# Altium PCB STeaMi-VerB1.PcbDoc (part 2 of 5) (continued)
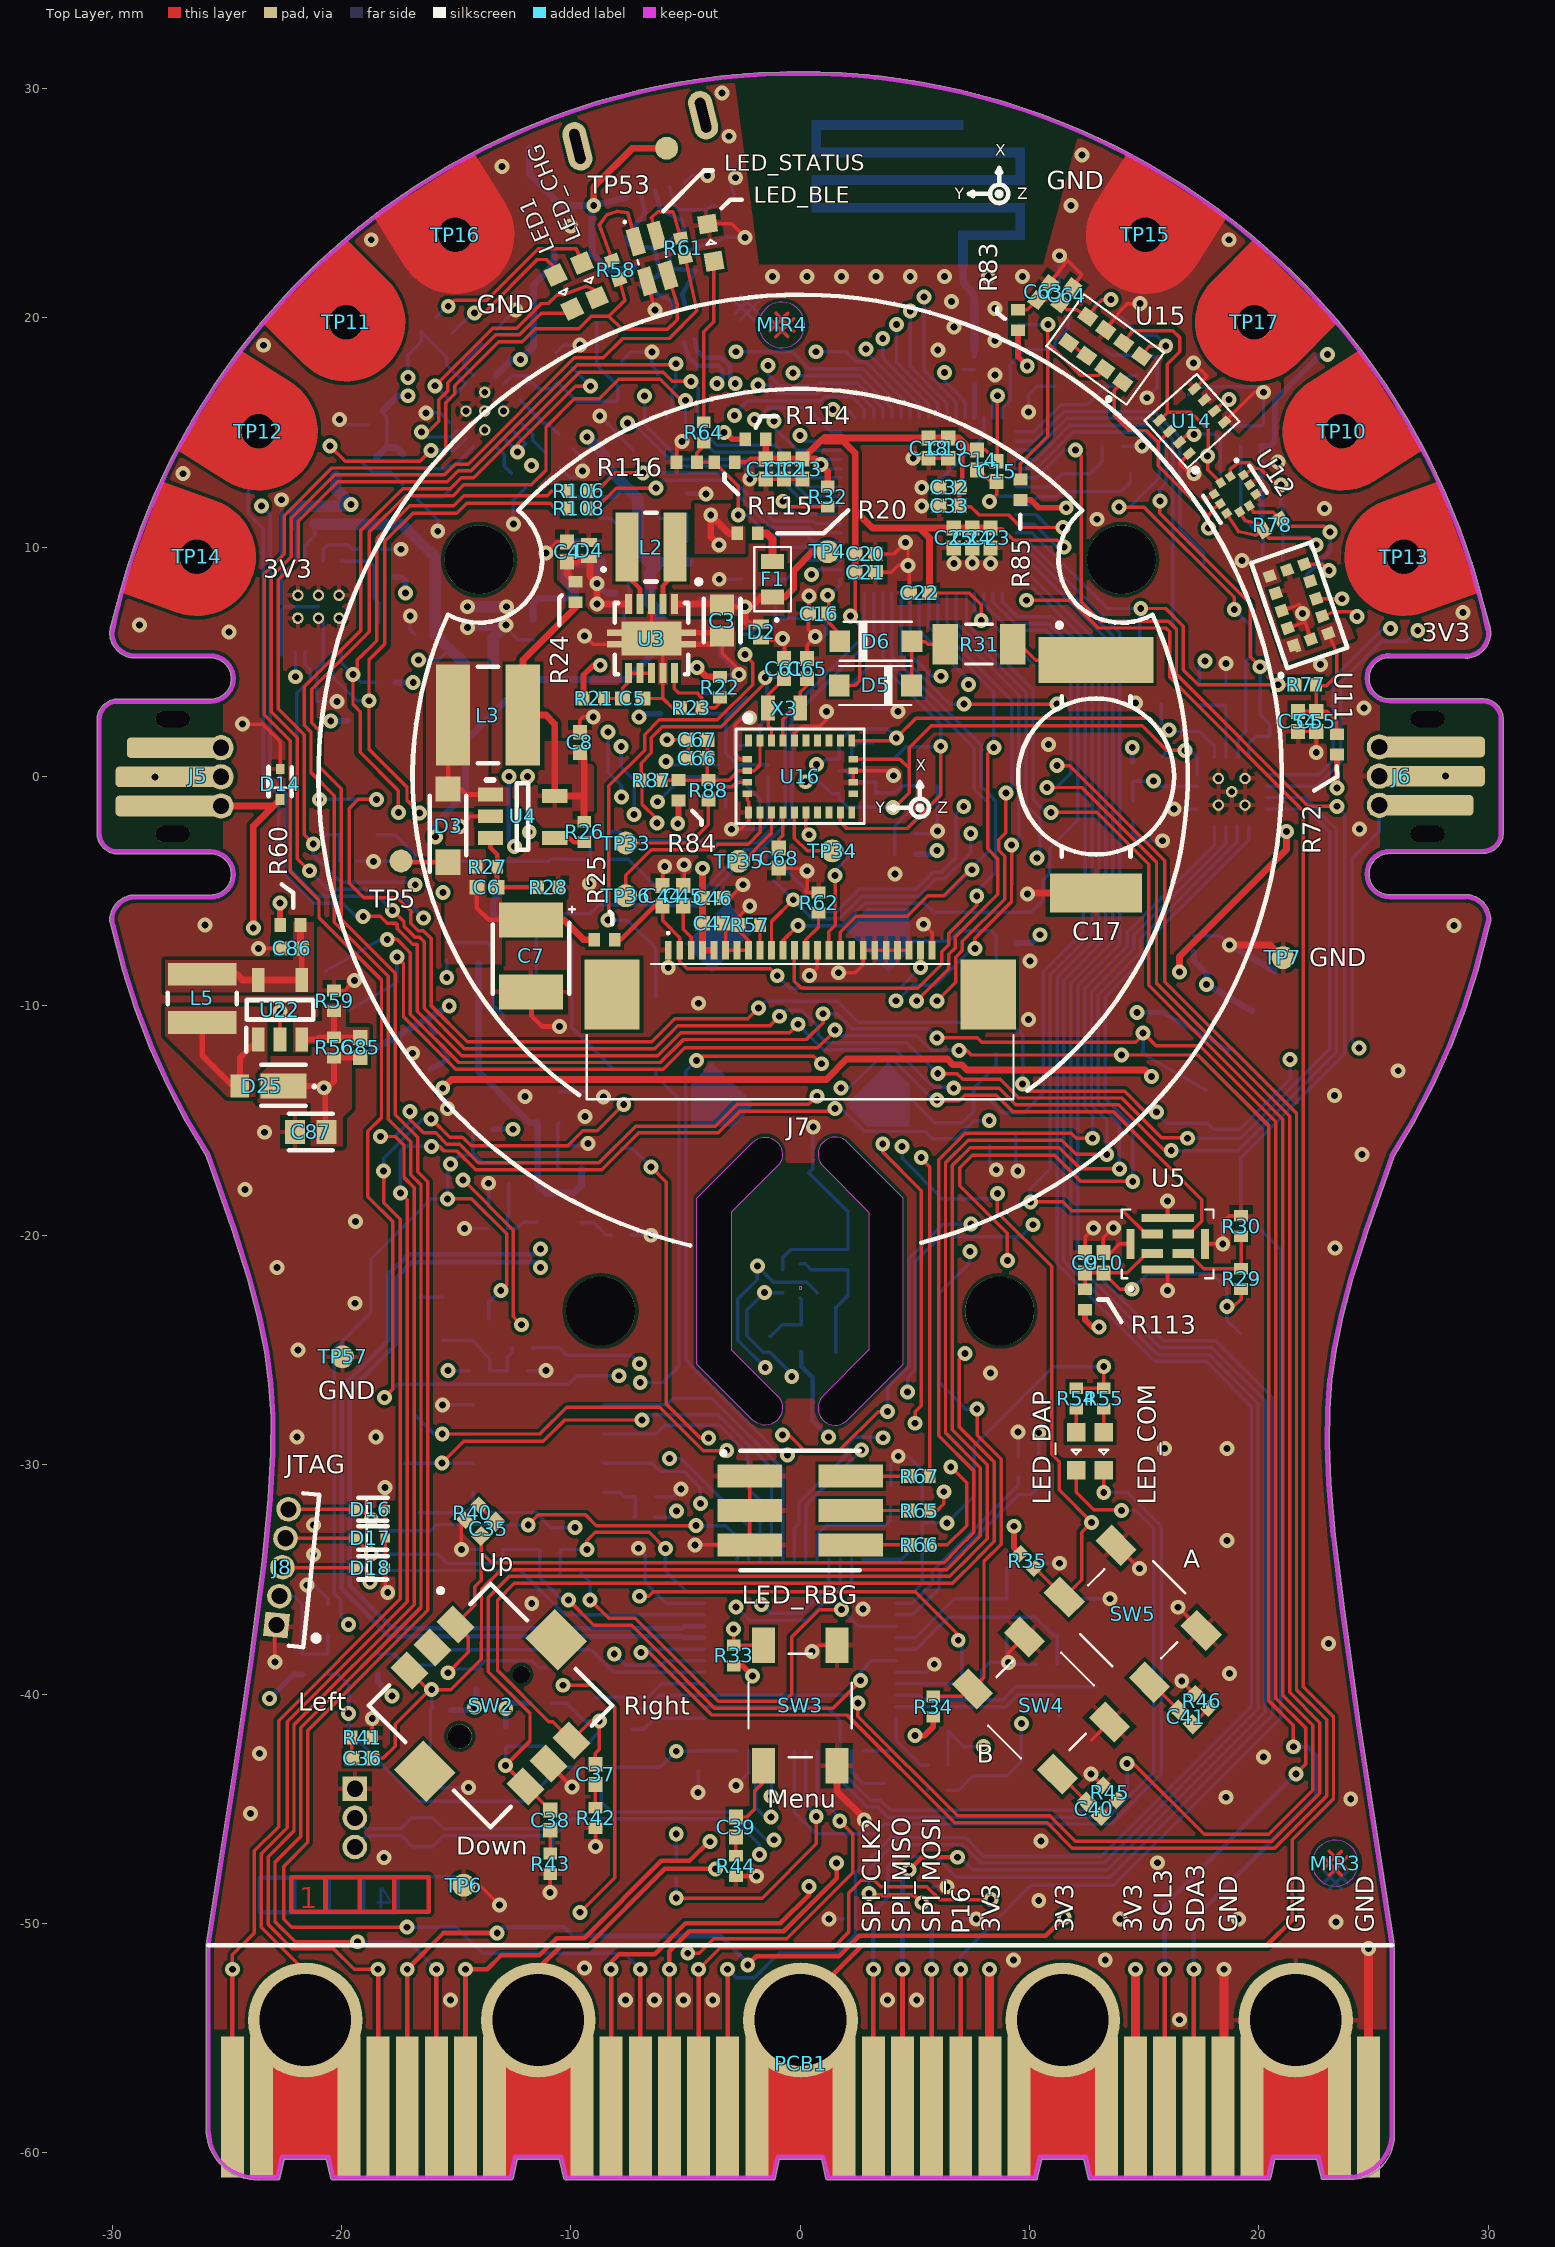
[diagram p0: Top Layer view]
## Part data (continued)
D1: library part WE-TVS_824015, "Suppresseurs ESD / diodes TVS WE-TVS High Speed 5uA 5VDC 4+1", Manufacturer=Wurth, Voltage=5V, ComponentLink1Description=Datasheet, ComponentLink1URL=https://www.we-online.com/catalog/datasheet/824015.pdf, Created by=EAG, Creation Date=27/08/2021, Manufacturer Part Number=WE-TVS_824015, Mouser=710-824015, Part Number=WE-TVS_824015, Populated=True, Switch possibility=False, Vérification=Non
D2 D4 D10 D13 D24: library part D5V0H1B2LP-7B, "ESD Suppressors / TVS Diodes Transient Voltage Suppressor PP", Manufacturer="Diodes Incorporated", Voltage=5,5V, ComponentLink1Description=Datasheet, ComponentLink1URL=https://m.littelfuse.com/~/media/electronics/product_specifications/polymer_esd_suppressors/littelfuse_polymer_esd_suppressor_pesd0402_140_product_specification.pdf.pdf, Created by=EAG, Creation Date=01/10/2021, Digikey=D5V0H1B2LP-7BDICT-ND, Manufacturer Part Number=D5V0H1B2LP-7B, Mouser=621-D5V0H1B2LP-7B, Part Number=D5V0H1B2LP-7B, Populated=True, Switch possibility=False, Vérification=Non
D3: library part XBS104S14R-G, "Diode Schottky 40 V 1A Montage en surface SOD-123", Manufacturer="Torex Semiconductor", Voltage=40V, Created by=EAG, Creation Date=18/12/2021, Manufacturer Part Number=XBS104S14R-G, Mouser=865-XBS104S14R-G, Part Number=XBS104S14R-G, Populated=True, Switch possibility=False, Vérification=Non
D5 D6 D7 D15: library part MBR130HWTR, "Diode Schottky 30 V 1A Montage en surface SOD-123", Manufacturer="SMC diode solutions", Voltage=30V, Created by=EAG, Creation Date=18/12/2021, Digikey=1655-1437-1-ND, Manufacturer Part Number=MBR130HWTR, Part Number=MBR130HWTR, Populated=True, Switch possibility=False, Vérification=Non
D8 D9 D11 D12 D16 D17 D18 D19 D20 D21 D22 D23: library part ESD8351XV2T1G, "Suppresseurs ESD / diodes TVS LOW CAP SNAPBACK ESD PROT", Manufacturer=OnSemiconductor, Voltage=3V3, Created by=EAG, Creation Date=18/12/2021, Farnell=2770609, Manufacturer Part Number=ESD8351XV2T1G, Mouser=863-ESD8351XV2T1G, Part Number=ESD8351XV2T1G, Populated=True, Switch possibility=False, Vérification=Non
D14: library part ESD8351XV2T1G, "Suppresseurs ESD / diodes TVS LOW CAP SNAPBACK ESD PROT", Manufacturer=OnSemiconductor, Voltage=5V, Created by=EAG, Creation Date=18/12/2021, Farnell=2770609, Manufacturer Part Number=ESD8351XV2T1G, Mouser=863-ESD8351XV2T1G, Part Number=ESD8351XV2T1G, Populated=True, Switch possibility=False, Vérification=Non
D25: library part SS14HE, "Diode Schottky 40 V 1A Montage en surface SDO-323HE", Manufacturer=OnSemiconductor, Voltage=40V, Created by=EAG, Creation Date=01/02/2022, Digikey=512-SS14HE, Farnell=2929794, Manufacturer Part Number=SS14HE, Part Number=SS14HE, Populated=True, Switch possibility=False, Vérification=Non
D26 D27: library part CDBQR0140R-HF, "Diode 40 V 100mA Surface Mount 0402C/SOD-923F", Manufacturer=Comchip, Voltage=40V, Created by=EAG, Creation Date=16/02/2024, Digikey=CDBQR0140R-HF-ND, Manufacturer Part Number=CDBQR0140R-HF, Part Number=CDBQR0140R-HF, Populated=True, Switch possibility=False, Vérification=Non
F1: library part SF-0603SP125-2, "Fusible 50V 1,25 A Slow blow", ComponentLink1Description=Datasheet, ComponentLink1URL=https://us.schurter.com/en/datasheet/typ_UMT_250.pdf, Manufacturer="#Circular Reference?", Manufacturer Part Number="#Circular Reference?", Part Number=SF-0603SP125-2, Populated=True
FB1: library part 742792641, "Chip Ferrite Bead 300 ohm à 100MHZ", Manufacturer=WURTH, Created by=EAG, Creation Date=27/08/2021, Manufacturer Part Number=742792641, Mouser=710-742792641, Part Number=742792641, Populated=True, Switch possibility=False, Vérification=Non
FB2: library part BLM18RK102SN1D, "Chip Ferrite Bead 330 ohm à 100MHZ", Manufacturer=MURATA, Created by=EAG, Creation Date=28/07/2020, Manufacturer Part Number=BLM18RK102SN1D, Mouser=81-BLM18RK102SN1D, Part Number=BLM18RK102SN1D, Populated=True, Switch possibility=False, Vérification=Non
J1: library part 1011483010102LF, "CONN header smd 2 positions 1,25 mm", Manufacturer=Amphenol, Manufacturer Part Number=10114830-10102LF, Created by=EAG, Creation Date=26/08/2021, Mouser=609-5378-1-ND, Part Number=1011483010102LF, Populated=False, Switch possibility=False, Vérification=Non
J2: library part USB3080-30-00-A, "Connector micro USB Bottom-SMT No Peg", Manufacturer=GCT, Created by=EAG, Creation Date=27/08/2021, Manufacturer Part Number=USB3080-30-00-A, Mouser=640-USB3080-30-00-A, Part Number=USB3080-30-00-A, Populated=False, Switch possibility=False, Vérification=Non
J3 J4: library part S4B-PH-SM4-TB(LF)(SN), "Connecteur, embase Montage en surface à angle droit 4 positions (2,00mm)", Manufacturer=JST, Created by=EAG, Creation Date=20/09/2021, Digikey=455-1751-1-ND, Farnell=9492631, Manufacturer Part Number=S4B-PH-SM4-TB(LF)(SN), Part Number=S4B-PH-SM4-TB(LF)(SN), Populated=True, Switch possibility=False, Vérification=Non
J5 J6: library part JACDAC_PCB, "PCB connector Jackdac", Manufacturer=Microsoft, Manufacturer Part Number=Jackdac_design, Created by=EAG, Creation Date=01/09/2021, Part Number=JACDAC_PCB, Populated=False, Switch possibility=False, Vérification=Non
J7: library part 52435-2471, "FFC/FPC connector 0,50 Pitch Slider Right angle TOP Contact", Manufacturer=Molex, Created by=EAG, Creation Date=18/08/2021, Manufacturer Part Number=52435-2471, Mouser=538-52435-2471, Part Number=52435-2471, Populated=False, RS=52435-2471-TR250, Switch possibility=False, Vérification=Non
J8: library part FTS-105-01-F-D, "Embase FTS 10 point 1,27 mm vertical", Manufacturer=SAMTEC, Created by=EAG, Creation Date=25/09/2019, Digikey=SAM9420-ND, Manufacturer Part Number=FTS-105-01-F-D, Mouser=200-FTS10501FD, Part Number=FTS-105-01-F-D, Populated=False, Switch possibility=False, Vérification=Non
J9: library part FTS-103-01-F-S, "CONN HEADER VERT 3POS 1.27MM", Manufacturer=SAMTEC, Created by=EAG, Creation Date=25/10/2021, Digikey=612-FTS-103-01-F-S-ND, Manufacturer Part Number=FTS-103-01-F-S, Part Number=FTS-103-01-F-S, Populated=False, Switch possibility=False, Vérification=Non
L1: library part 744230900, "Common mode chokes", Manufacturer=WURTH, Created by=EAG, Creation Date=10/10/2019, Digikey=732-2582-1-ND, Inductance="#Circular Reference?", Manufacturer Part Number=744230900, Part Number=744230900, Populated=True, Switch possibility=False, Vérification=Non
L2: library part "2,2µH-20%-1,89A-74 mOhms", "Fixed Inductor 10µH ± 20% 1,4A 3x3x1,2mm", DC Current=1,89A, Inductance=2,2µH, Manufacturer=TDK, Manufacturer Part Number=VLS3012CX-2R2M-1, Resistance="74 mOhms", Tolerence=0,2, Created by=EAG, Creation Date=17/12/2021, Mouser=810-VLS3012CX-2R2M-1, Part Number="2,2µH-20%-1,89A-74 mOhms", Populated=True, Switch possibility=False, Vérification=Non
L3: library part "15µH-20%-0,84-132 mOhms%", "Fixed Inductor 10µH ± 20% 1,4A 5,8mm", DC Current=0,84, Inductance=15µH, Manufacturer=Wurth, Manufacturer Part Number=74404043150A, Resistance="132 mOhms%", Tolerence=0,2, Created by=EAG, Creation Date=22/11/2021, Digikey=732-10760-1-ND, Mouser=710-74404043150A, Part Number="15µH-20%-0,84-132 mOhms%", Populated=True, Switch possibility=False, Vérification=Non
L4: library part 10µH-20%-0,1A-600mOhm, "Fixed Inductor 10µH µH ± 20% 0,1A 0805", DC Current=0,1A, Inductance=10µH, Manufacturer="Murata Electronics", Manufacturer Part Number=LQM21FN100M70L, Resistance=600mOhm, Tolerence=0,2, Created by=EAG, Creation Date=10/10/2019, Mouser=81-LQM21FN100M70L, Part Number=10µH-20%-0,1A-600mOhm, Populated=True, Switch possibility=False, Vérification=Non
L5: library part 10µH-20%-1,12A-324mOhms, "Fixed Inductor 10µH ± 20% 1,12A 3x3x1,2mm", DC Current=1,12A, Inductance=10µH, Manufacturer=TDK, Manufacturer Part Number=VLS3012CX-100M-1, Resistance=324mOhms, Tolerence=0,2, Created by=EAG, Creation Date=25/01/2022, Farnell=3212546, Mouser=810-VLS3012CX-100M-1, Part Number=10µH-20%-1,12A-324mOhms, Populated=True, Switch possibility=False, Vérification=Non
LED1 LED_COM: library part 150060VS75000, "LED GREEN 2V 20mA 0603 SMD", Color="GREEN RED", Manufacturer=WURTH, Created by=EAG, Creation Date=12/03/2020, F19=0,13, Manufacturer Part Number=150060VS75000, Mouser=710-150060VS75000, Part Number=150060VS75000, Populated=True, Switch possibility=False, Vérification=Non
  LED1: Fitted="Not Fitted"
LED_BLE LED_DAP: library part 150060BS75000, "DEL standard - CMS WL-SMCW SMDMono TpVw Waterclr 0603 Blue", Color=BLUE, Manufacturer=WURTH, Created by=EAG, Creation Date=16/09/2021, Manufacturer Part Number=150060BS75000, Mouser=710-150060BS75000, Part Number=150060BS75000, Populated=True, Switch possibility=False, Vérification=Non
LED_CHG: library part 150060RS75000, "DEL standard - CMS WL-SMCW SMDMono TpVw Waterclr 0603 RED", Color=RED, Manufacturer=WURTH, Created by=EAG, Creation Date=30/09/2021, Manufacturer Part Number=150060RS75000, Mouser=710-150060RS75000, Part Number=150060RS75000, Populated=True, Switch possibility=False, Vérification=Non
LED_RBG: library part 150505M173300, "DEL standard - CMS WL-SFTW SMD TOP SMD 5050 RGB", Color=RGB, Manufacturer=WURTH, Created by=EAG, Creation Date=16/09/2021, Digikey=150505M173300, Manufacturer Part Number=150505M173300, Mouser=710-150505M173300, Part Number=150505M173300, Populated=True, Switch possibility=False, Vérification=Non
LED_STATUS: library part APHBM2012LSURKZGKC, "LED BI Green Red 2mm x 1,25mm SMD", Color="GREEN RED", Manufacturer=Kingbright, Created by=EAG, Creation Date=30/09/2019, Manufacturer Part Number=APHBM2012LSURKZGKC, Mouser=604-APHBM2012LSURKZG, Part Number=APHBM2012LSURKZGKC, Populated=True, Switch possibility=False, Vérification=Non
LS1: library part SMT-0825-S-HT-R, "Speakers & Transducers SURFACE MOUNT TRANSDUCER 3.6 VP-P", Ambient Temperature="Ambient temp", Manufacturer="PUI Audio Inc", Storage temperature="Storage temp", AEC=AEC, Created by=EAG, Creation Date=15/09/2021, Datasheet=Datasheet, Digikey=668-SMT-0825-S-HT-RCT-ND, Manufacturer Part Number=SMT-0825-S-HT-R, Mouser=665-SMT0825SHTR, Part Number=SMT-0825-S-HT-R, Populated=False, RoHs compliant=Rohs, Switch possibility=False, Vérification=Non
PCB1: library part PCBMICROBIT, "Design PCB connector P0-P16, 3V3,GND", Ambient Temperature="Ambient temp", Manufacturer=MicroBit, Manufacturer Part Number=PCB-Connector, Storage temperature="Storage temp", AEC=AEC, Created by=EAG, Creation Date=20/09/2021, Datasheet=Datasheet, Part Number=PCBMICROBIT, Populated=False, RoHs compliant=Rohs, Switch possibility=False, Vérification=Non
R1 R53: library part 470R-5%-0,1W-0402, "RES CMS 470R5%-0,1W-0402 ±200ppm/°C", Manufacturer=Panasonic, Manufacturer Part Number=ERJ-2GEJ471X, Power=0,1, Resistance=470R, std Package=0402, Tolerence=0,05, Created by=EAG, Creation Date=02/12/2021, Mouser=667-ERJ-2GEJ471X, Nom vérificateur=Non, Part Number=470R-5%-0,1W-0402, Populated=True, Prix=0,09, Switch possibility=True
R2 R5 R8 R17 R69 R99 R105 R110: library part 100K-5%-0,0625W-0402, "RES CMS 100K5%-0,0625W-0402 ±100ppm/°C", Manufacturer=Yageo, Manufacturer Part Number=RC0402JR-07100KL, Power=0,0625, Resistance=100K, std Package=0402, Tolerence=0,05, Created by=EAG, Creation Date=02/12/2021, Digikey=311-100KJRCT-ND, Farnell=9233008, Nom vérificateur=Non, Part Number=100K-5%-0,0625W-0402, Populated=True, Prix=0,09, Switch possibility=True
R3 R7 R9 R29 R32 R51 R70 R115: library part NI-1%-0,1W-0603, "NI", Manufacturer=-, Power=0,1, std Package=0603, Tolerence=0,01, Created by=MSA, Creation Date=20/03/2019, Digikey=-, Farnell=-, Manufacturer Part Number=-, Mouser=-, Nom vérificateur=Non, Part Number=NI-1%-0,1W-0603, Populated=True, Resistance=NI, RS=-, Switch possibility=True
R4 R6 R10 R11 R20 R24 R25 R30 R48 R49 R50 R52 R60 R62 R68 R71 R72 R73 R74 R79 R80 R83 R84 R94 R95 R111 R112 R113 R114: library part 0R-5%-0,0625W-0402, "RES CMS 0R5%-0,0625W-0402", Manufacturer=Yageo, Manufacturer Part Number=RC0402JR-100RL, Power=0,0625, Resistance=0R, std Package=0402, Tolerence=0,05, Created by=EAG, Creation Date=02/12/2021, Mouser=603-RC0402JR-100RL, Nom vérificateur=Non, Part Number=0R-5%-0,0625W-0402, Populated=True, Prix=0,09, Switch possibility=True
R12 R19 R26 R28 R87 R88 R91 R96: library part 10K-1%-0,0625W-0402, "RES CMS 10K1%-0,0625W-0402 ±100ppm/°C", Manufacturer=Yageo, Manufacturer Part Number=AC0402FR-1310KL, Power=0,0625, Resistance=10K, std Package=0402, Tolerence=0,01, Created by=EAG, Creation Date=08/06/2021, Mouser=603-AC0402FR-1310KL, Nom vérificateur=Non, Part Number=10K-1%-0,0625W-0402, Populated=True, Prix=0,088, Switch possibility=True
R13 R14: library part 1,6K-1%-0,1W-0402, "RES CMS 1,6K1%-0,1W-0402 ±100ppm/°C", Manufacturer=Panasonic, Manufacturer Part Number="ERJ-2RKF 1601X", Power=0,1, Resistance=1,6K, std Package=0402, Tolerence=0,01, Created by=EAG, Creation Date=02/12/2021, Mouser=667-ERJ-2RKF1601X, Nom vérificateur=Non, Part Number=1,6K-1%-0,1W-0402, Populated=True, Prix=0,09, Switch possibility=True
R15 R16 R33 R34 R35 R36 R37 R38 R39: library part 4,7K-5%-0,0625W-0402, "RES CMS 4,7K5%-0,0625W-0402 ±100ppm/°C", Manufacturer=Yageo, Manufacturer Part Number=AC0402JR-074K7L, Power=0,0625, Resistance=4,7K, std Package=0402, Tolerence=0,05, Created by=EAG, Creation Date=02/12/2021, Digikey=311-4.7KLBDKR-ND, Farnell=3495221, Mouser=603-AC0402JR-074K7L, Nom vérificateur=Non, Part Number=4,7K-5%-0,0625W-0402, Populated=True, Prix=0,09, Switch possibility=True
R18: library part 10m-1%-0,2W-0402, "RES CMS 10m1%-0,2W-0402 ±0ppm/°C", Manufacturer=Panasonic, Manufacturer Part Number=ERJ-2LWFR010X, Power=0,2, Resistance=10m, std Package=0402, Tolerence=1%, Created by=EAG, Creation Date=27/04/2021, Mouser=667-ERJ-2LWFR010X, Nom vérificateur=Non, Part Number=10m-1%-0,2W-0402, Populated=True, Prix=0,033, Switch possibility=False
R21 R40 R41 R42 R43 R44 R45 R46 R65 R93 R97: library part 100R-5%-0,0625W-0402, "RES CMS 100R5%-0,0625W-0402 ±100ppm/°C", Manufacturer=Yageo, Manufacturer Part Number=RC0402JR-07100RL, Power=0,0625, Resistance=100R, std Package=0402, Tolerence=0,05, Created by=EAG, Creation Date=02/12/2021, Digikey=311-100JRCT-ND, Farnell=9232648, Nom vérificateur=Non, Part Number=100R-5%-0,0625W-0402, Populated=True, Prix=0,09, Switch possibility=True
R22 R56: library part 1M-1%-0,125W-0402, "RES CMS 1M1%-0,125W-0402 ±0ppm/°C", Manufacturer=Yageo, Manufacturer Part Number=RC0402FR-7W1ML, Power=0,125, Resistance=1M, std Package=0402, Tolerence=0,01, Created by=EAG, Creation Date=22/11/2021, Mouser=603-RC0402FR-7W1ML, Nom vérificateur=Non, Part Number=1M-1%-0,125W-0402, Populated=True, Prix=0,09, Switch possibility=True
R23: library part 178K-1%-0,1W-0402, "RES CMS 178K1%-0,1W-0402 ±25ppm/°C", Manufacturer=Panasonic, Manufacturer Part Number=ERJ-2RKF1783X, Power=0,1, Resistance=178K, std Package=0402, Tolerence=0,01, Created by=EAG, Creation Date=01/04/2021, Mouser=667-ERJ-2RKF1783X, Nom vérificateur=Non, Part Number=178K-1%-0,1W-0402, Populated=True, Prix=0,085, Switch possibility=True
R27: library part 105K-0,5%-0,1W-0402, "RES CMS 105K0,5%-0,1W-0402 ±0ppm/°C", Manufacturer=Panasonic, Manufacturer Part Number=ERJ-2RKF1053X, Power=0,1, Resistance=105K, std Package=0402, Tolerence=0,005, Created by=EAG, Creation Date=22/11/2021, Farnell=2302841, Mouser=667-ERJ-2RKF1053X, Nom vérificateur=Non, Part Number=105K-0,5%-0,1W-0402, Populated=True, Prix=0,08, Switch possibility=True
R31: library part 15R-0,5%-1W-1206, "RES CMS 15R0,5%-1W-1206 ±0ppm/°C", Manufacturer=Susumu, Manufacturer Part Number=HRG3216Q-15R0-D-T1, Power=1, Resistance=15R, std Package=1206, Tolerence=0,005, Created by=EAG, Creation Date=30/09/2021, Digikey=408-1885-1-ND, Mouser=754-HRG3216Q15R0DT1, Nom vérificateur=Non, Part Number=15R-0,5%-1W-1206, Populated=True, Prix=0,76, Switch possibility=True
R47: library part 220R-5%-0,1W-0402, "RES CMS 220R5%-0,1W-0402 ±10ppm/°C", Manufacturer=Panasonic, Manufacturer Part Number=ERJ-2GEJ221X, Power=0,1, Resistance=220R, std Package=0402, Tolerence=5%, Created by=EAG, Creation Date=31/01/2021, Digikey=P220JCT-ND, Farnell=2692419, Mouser=667-ERJ-2GEJ221X, Nom vérificateur=Non, Part Number=220R-5%-0,1W-0402, Populated=True, Prix=0,085, Switch possibility=True
R54 R64 R66 R67 R106 R108: library part 10R-1%-0,0625W-0402, "RES CMS 10R1%-0,0625W-0402 ±200ppm/°C", Manufacturer=Yageo, Manufacturer Part Number=RC0402FR-1010RL, Power=0,0625, Resistance=10R, std Package=0402, Tolerence=0,01, Created by=EAG, Creation Date=29/01/2021, Mouser=603-RC0402FR-1010RL, Nom vérificateur=Non, Part Number=10R-1%-0,0625W-0402, Populated=True, Prix=0,08, Switch possibility=True
R55 R58: library part 120R-1%-0,0625W-0402, "RES CMS 120R1%-0,0625W-0402 ±200ppm/°C", Manufacturer=Yageo, Manufacturer Part Number=AC0402FR-07120RL, Power=0,0625, Resistance=120R, std Package=0402, Tolerence=0,01, Created by=EAG, Creation Date=02/12/2021, Digikey=YAG3440CT-ND, Mouser=603-AC0402FR-07120RL, Nom vérificateur=Non, Part Number=120R-1%-0,0625W-0402, Populated=True, Prix=0,09, Switch possibility=True
R57: library part 1,15M-1%-0,1W-0402, "RES CMS 1,15M1%-0,1W-0402 ±0ppm/°C", Manufacturer="KOA Speer", Manufacturer Part Number=RK73H1ETTP1154F, Power=0,1, Resistance=1,15M, std Package=0402, Tolerence=0,01, Created by=EAG, Creation Date=29/01/2021, Digikey=2019-RK73H1ETTP1154FCT-ND, Mouser=660-RK73H1ETTP1154F, Nom vérificateur=Non, Part Number=1,15M-1%-0,1W-0402, Populated=True, Prix=0,1, Switch possibility=True
R59: library part 324K-1%-0,0625W-0402, "RES CMS 324K1%-0,0625W-0402 ±100ppm/°C", Manufacturer=Yageo, Manufacturer Part Number=AC0402FR-07324KL, Power=0,0625, Resistance=324K, std Package=0402, Tolerence=0,01, Created by=EAG, Creation Date=01/02/2022, Digikey=13-AC0402FR-07324KLCT-ND, Liste=Non, Mouser=603-AC0402FR-07324KL, Nom vérificateur=Non, Part Number=324K-1%-0,0625W-0402, Populated=True, Prix=0,088, Switch possibility=True
R61: library part 47R-1%-0,0625W-0402, "RES CMS 47R1%-0,0625W-0402 ±100ppm/°C", Manufacturer=Yageo, Manufacturer Part Number=RC0402FR-0747RL, Power=0,0625, Resistance=47R, std Package=0402, Tolerence=0,01, Created by=EAG, Creation Date=02/12/2021, Digikey=311-47.0LRCT-ND, Mouser=603-RC0402FR-0747RL, Nom vérificateur=Non, Part Number=47R-1%-0,0625W-0402, Populated=True, Prix=0,09, RS=198-7801, Switch possibility=True
R63 R102 R103: library part 100K-1%-0,1W-0402, "RES CMS 100K1%-0,1W-0402 ±100ppm/°C", Manufacturer=Panasonic, Manufacturer Part Number=ERJ-2RKF1003X, Power=0,1, Resistance=100K, std Package=0402, Tolerence=0,01, Created by=EAG, Creation Date=08/04/2021, Mouser=667-ERJ-2RKF1003X, Nom vérificateur=Non, Part Number=100K-1%-0,1W-0402, Populated=True, Prix=0,085, Switch possibility=True
R75 R76 R77 R78 R82 R85 R92 R107 R109: library part NI-1%-0,1W-0603, "NI", Manufacturer=-, Power=0,1, std Package=0603, Tolerence=1%, Created by=MSA, Creation Date=20/03/2019, Digikey=-, Farnell=-, Manufacturer Part Number=-, Mouser=-, Nom vérificateur=Non, Part Number=NI-1%-0,1W-0603, Populated=True, Resistance=NI, RS=-, Switch possibility=True
R81: library part 0R-1%-0,1W-0603, "RES CMS 0R 1% 0,1W 0603 ±100ppm/°C", Manufacturer=Vishay, Manufacturer Part Number=CRCW06030000Z0EAC, Power=0,1, Resistance=0R, std Package=0603, Tolerence=0,01, Created by=MSA, Creation Date=20/03/2019, Digikey=541-4012-1-ND, Farnell=-, Mouser=71-CRCW06030000Z0EAC, Nom vérificateur=Non, Part Number=0R-1%-0,1W-0603, Populated=True, RS=-, Switch possibility=True
R86: library part 22R-0,5%-0,0625W-0402, "RES CMS 22R0,5%-0,0625W-0402 ±100ppm/°C", Manufacturer=Panasonic, Manufacturer Part Number=ERJ2RKD22R0X, Power=0,0625, Resistance=22R, std Package=0402, Tolerence=0,005, Created by=EAG, Creation Date=02/12/2021, Mouser=667-ERJ-2RKD22R0X, Nom vérificateur=Non, Part Number=22R-0,5%-0,0625W-0402, Populated=True, Prix=0,105, Switch possibility=True
R89: library part 100K-1%-0,1W-0603, "RES CMS 100K1%-0,1W-0603 ±100ppm/°C", Manufacturer=Yageo, Manufacturer Part Number=RC0603FR-07100KL, Power=0,1, Resistance=100K, std Package=0603, Tolerence=0,01, Created by=EAG, Creation Date=24/09/2019, Mouser=RC0603FR-07100KL, Nom vérificateur=Non, Part Number=100K-1%-0,1W-0603, Populated=True, Switch possibility=True
R90 R101 R104: library part NC-0%-0W-0402, "RES CMS NI0%-0W-0402 ±100ppm/°C", Manufacturer=NC, Power=0, std Package=0402, Checked by=-, Created by=EAG, Creation Date=25/11/2022, Digikey=-, Farnell=-, Liste=-, Manufacturer Part Number=NC, Mouser=-, Nom vérificateur=Non, Part Number=NC-0%-0W-0402, Populated=True, Prix=0,1, Resistance=NC, RS=-, Switch possibility=True, Tolerence=0
R98: library part 36K-1%-0,0625W-0402, "RES CMS 36K1%-0,0625W-0402 ±100ppm/°C", Manufacturer=Yageo, Manufacturer Part Number=RC0402FR-0736KL, Power=0,0625, Resistance=36K, std Package=0402, Tolerence=0,01, Created by=EAG, Creation Date=02/12/2021, Digikey=311-36.0KLRCT-ND, Mouser=603-RC0402FR-0736KL, Nom vérificateur=Non, Part Number=36K-1%-0,0625W-0402, Populated=True, Prix=0,09, Switch possibility=True
R100: library part 1,5K-1%-0,0625W-0402, "RES CMS 1,5K1%-0,0625W-0402 ±100ppm/°C", Manufacturer=Yageo, Manufacturer Part Number=RC0402FR-071K5L, Power=0,0625, Resistance=1,5K, std Package=0402, Tolerence=0,01, Created by=EAG, Creation Date=02/12/2021, Digikey=311-1.50KLRDKR-ND, Farnell=2693583, Mouser=603-RC0402FR-071K5L, Nom vérificateur=Non, Part Number=1,5K-1%-0,0625W-0402, Populated=True, Prix=0,09, Switch possibility=True
R116: library part 100K-1%-0,063W-0402, "RES CMS 100K1%-0,063W-0402 ±100ppm/°C", Manufacturer="TE Connectivity", Manufacturer Part Number=CRG0402F100K, Power=0,063, Resistance=100K, std Package=0402, Tolerence=0,01, Created by=EAG, Creation Date=22/04/2022, Nom vérificateur=Non, Part Number=100K-1%-0,063W-0402, Populated=True, Prix=0,019, RS=667-8977, Switch possibility=True
SW1: library part "PTS636 SM25J SMTR LFS", "Surface Mounting Switch", Manufacturer=C&K, Created by=EAG, Creation Date=29/09/2021, Digikey=CKN12325-1-ND, Manufacturer Part Number="PTS636 SM25J SMTR LFS", Mouser=611-PTS636SM25JSMTRL, Part Number="PTS636 SM25J SMTR LFS", Populated=True, Switch possibility=False, Vérification=Non
SW2: library part SKRHABE010, "4-direction type with center-push function", Manufacturer=ALPS, Created by=EAG, Creation Date=13/09/2021, Manufacturer Part Number=SKRHABE010, Mouser=688-SKRHAB, Part Number=SKRHABE010, Populated=True, Switch possibility=False, Vérification=Non
SW3 SW4 SW5: library part PTS647SM38SMTR2LFS, "Interrupteurs de contact 50mA 12VDC, 1.8N 3.8mm H, G leads", Manufacturer=C&K, Created by=EAG, Creation Date=14/09/2021, Manufacturer Part Number=PTS647SM38SMTR2LFS, Mouser=611-PTS647SM38SMTR2L, Part Number=PTS647SM38SMTR2LFS, Populated=True, Switch possibility=False, Vérification=Non
T1 T2: library part BSS119N, "Small-Signal-Transitor MOSFET N", Manufacturer=Infineon, Manufacturer Part Number=BSS119N-H6327, Checked by=MSA, ComponentLink1Description=Datasheet, ComponentLink1URL=https://www.infineon.com/dgdl/Infineon-BSS119N-DS-v02_01-en.pdf?fileId=db3a304335f1f4b6013639b6532a164a, Created by=EAG, Creation Date=16/08/2018, Digikey=BSS119NH6327XTSA1CT-ND, Farnell=-, Mouser=726-BSS119NH6327, Part Number=BSS119N, Populated=False, RS=-, Switch possibility=False, Vérification=Oui
T3: library part MMBT2222A, "Transistors bipolaires - BJT SS SOT23 NPN 40V", Manufacturer="On Semiconductor", Manufacturer Part Number=MMBT2222A-7-F, ComponentLink1Description=Datasheet, ComponentLink1URL=https://assets.nexperia.com/documents/data-sheet/BC847_SER.pdf, Created by=EAG, Creation Date=30/09/2021, Digikey=MMBT2222A-FDICT-ND, Farnell=1773626, Part Number=MMBT2222A, Populated=False, Switch possibility=False, Vérification=Non
T4: library part BSS8402DW-7-F, "MOSFET N/P-CH 60V/50V SOT363", Ambient Temperature="Ambient temp", Manufacturer="Diodes Incorporated", Storage temperature="Storage temp", Created by=EAG, Creation Date=16/02/2024, Datasheet=Datasheet, Digikey=BSS8402DW-FDIDKR-ND, Manufacturer Part Number=BSS8402DW-7-F, Part Number=BSS8402DW-7-F, Populated=False, RoHs compliant=Rohs, Switch possibility=False, Vérification=Non
TP1 TP2 TP3 TP4 TP5 TP6 TP7 TP8 TP9 TP18 TP19 TP20 TP21 TP22 TP23 TP24 TP25 TP26 TP27 TP28 TP29 TP30 TP31 TP32 TP33 TP34 TP35 TP36 TP37 TP38 TP39 TP40 TP41 TP42 TP43 TP44 TP46 TP47 TP48 TP49 TP50 TP51 TP52 TP53 TP54 TP55 TP56 TP57 TP58 TP59 TP60 TP61 TP62 TP71 TP72 TP76: library part TESTPOINTPAD, "TESTPOINTPAD", Manufacturer=Smartembed, Manufacturer Part Number=TESTPOINT, Package=PAD_TEST, Created by=EAG, Creation Date=11/03/2020, Digikey=-, Farnell=-, Mouser=-, Part Number=TESTPOINTPAD, RS=-, Switch possibility=False, Vérification=Non
TP10 TP11 TP12 TP13 TP14 TP15 TP16 TP17: library part Pad_short_aligator, "Pad_short_aligator", Manufacturer=Smartembed, Manufacturer Part Number=ALIGATOR_TEST, Package=PAD_TEST, Created by=EAG, Creation Date=20/09/2021, Digikey=-, Farnell=-, Mouser=-, Part Number=Pad_short_aligator, RS=-, Switch possibility=False, Vérification=Non
TP45 TP63 TP64 TP65 TP66 TP67 TP68 TP69 TP70 TP73 TP74 TP75: library part TESTPOINTPAD, "TESTPOINTPAD", Manufacturer=SmartEmbed, Package=PAD_TEST, Part Number=TESTPOINTPAD
U1: library part BQ24075RGT, "Standalone 1 cell 1,5A batterry with PowerPath", Ambient Temperature="Ambient temp", Manufacturer="Texas Instruments", Storage temperature="Storage temp", Created by=EAG, Creation Date=27/08/2021, Datasheet=Datasheet, Manufacturer Part Number=BQ24075RGT, Mouser=595-BQ24075RGTR, Part Number=BQ24075RGT, Populated=False, RoHs compliant=Rohs, Switch possibility=False, Vérification=Non
U2: library part BQ27441DRZR-G1A, "LiCoO2, Li-Ion, Indicateur de charge batterie, alimentation 2.45 V à 4.5 V, interface I2C, SON-12", Manufacturer="Texas Instruments", Created by=MSA, Creation Date=28/08/2018, Digikey=296-37271-1-ND, Farnell=2400942, Manufacturer Part Number=BQ27441DRZR-G1A, Mouser=595-BQ27441DRZR-G1A, Part Number=BQ27441DRZR-G1A, Populated=False, Switch possibility=False, Vérification=Non
U3: library part TPS63000, "High Efficient single inductor buck-boost converter with 1,8-A switches ajustable", Manufacturer="Texas Instruments", Manufacturer Part Number=TPS63000DRCT, ComponentLink1Description=Datasheet, ComponentLink1URL=http://www.ti.com/lit/ds/symlink/tps63000.pdf, Created by=EAG, Creation Date=30/09/2019, Mouser=595-TPS63000DRCR, Part Number=TPS63000, Populated=False, Switch possibility=False, Vérification=Non
U4: library part LMR62421XMF_NOPB, "Simple Switcher 24Vout 2,1A Step-Up SOT-23", Ambient Temperature="Ambient temp", Manufacturer="Texas Instruments", Storage temperature="Storage temp", Created by=EAG, Creation Date=23/08/2021, Datasheet=Datasheet, Manufacturer Part Number=LMR62421XMF_NOPB, Mouser=926-LMR62421XMF/NOPB, Part Number=LMR62421XMF_NOPB, Populated=False, RoHs compliant=Rohs, Switch possibility=False, Vérification=Non
U5: library part IMP34DT05, "MEMS audio sensor omnidirectional digital microphone dor industrial application", Ambient Temperature="Ambient temp", Manufacturer=STMicroelectronics, Storage temperature="Storage temp", ComponentLink1Description=Datasheet, ComponentLink1URL=https://www.st.com/resource/en/datasheet/imp34dt05.pdf, Created by=EAG, Creation Date=27/08/2021, Datasheet=Datasheet, Manufacturer Part Number=IMP34DT05, Mouser=511-IMP34DT05TR, Part Number=IMP34DT05, Populated=False, RoHs compliant=Rohs, Switch possibility=False, Vérification=Non
U6: library part STM32WB55RX, "MCU 32bit, STM32WB55RX-M4, 256 Kb to 1Mb Flash 128 to 256kB SRAM 64MHz Bluetooth 5.2, VFQFPN68", Ambient Temperature="Ambient temp", Manufacturer=STMicroelectronics, Storage temperature="Storage temp", Created by=EAG, Creation Date=27/08/2021, Datasheet=Datasheet, Manufacturer Part Number=STM32WB55RX, Mouser=511-STM32WB55RCV6, Part Number=STM32WB55RX, Populated=False, RoHs compliant=Rohs, Switch possibility=False, Vérification=Non
U7: library part MLPF-WB55-01E3, "Centre 2,45GHz fréquence Passe-bas Filtres RF (Fréquence radio) 100MHz Bande passante 1,1dB 6-SMD, sans plomb", Ambient Temperature="Ambient temp", Manufacturer=STMicroelectronics, Storage temperature="Storage temp", Created by=EAG, Creation Date=30/09/2021, Datasheet=Datasheet, Digikey=497-19088-1-ND, Manufacturer Part Number=MLPF-WB55-01E3, Mouser=511-MLPF-WB55-01E3, Part Number=MLPF-WB55-01E3, Populated=False, RoHs compliant=Rohs, Switch possibility=False, Vérification=Non
U8: library part MCP23009-E/MG, "Interface - Extensions d'E/S 8B I/O Expander I2C interface", Ambient Temperature="Ambient temp", Manufacturer=Microchip, Storage temperature="Storage temp", Created by=EAG, Creation Date=13/09/2021, Datasheet=Datasheet, Manufacturer Part Number=MCP23009-E/MG, Mouser=579-MCP23009-E/MG, Part Number=MCP23009-E/MG, Populated=False, RoHs compliant=Rohs, Switch possibility=False, Vérification=Non
U9: library part LIS2MDLTR, "magnétorésistif Capteur X, Y, Z axe 12-LGA (2x2)", Ambient Temperature="Ambient temp", Manufacturer=STMicroelectronics, Storage temperature="Storage temp", Created by=EAG, Creation Date=28/09/2021, Datasheet=Datasheet, Digikey=497-17588-2-ND, Manufacturer Part Number=LIS2MDLTR, Part Number=LIS2MDLTR, Populated=False, RoHs compliant=Rohs, Switch possibility=False, Vérification=Non
U10: library part ISM330DLCTR, "Accéléromètre, gyroscope, température, 6 axes Anturi I²C, SPI Sortie", Ambient Temperature="Ambient temp", Manufacturer=STMicroelectronics, Storage temperature="Storage temp", Created by=EAG, Creation Date=28/09/2021, Datasheet=Datasheet, Digikey=497-17583-2-ND, Manufacturer Part Number=ISM330DLCTR, Part Number=ISM330DLCTR, Populated=False, RoHs compliant=Rohs, Switch possibility=False, Vérification=Non
U11: library part VL53L1X, "SENSOR OPTICAL 4M I2C", Ambient Temperature="Ambient temp", Manufacturer=STMicroelectronics, Manufacturer Part Number=VL53L1CXV0FY/1, Storage temperature="Storage temp", Created by=EAG, Creation Date=28/09/2021, Datasheet=Datasheet, Digikey=497-17764-1-ND, Mouser=511-VL53L1CXV0FY/1, Part Number=VL53L1X, Populated=False, RoHs compliant=Rohs, Switch possibility=False, Vérification=Non
U12: library part 2511020213301, "Capteur de pression 3,77PSI ~ 18,27PSI (26kPa ~ 126kPa) Absolu  24 b 10-WFLGA", Ambient Temperature="Ambient temp", Manufacturer="Wurth Elektronik", Storage temperature="Storage temp", Created by=EAG, Creation Date=28/09/2021, Datasheet=Datasheet, Digikey=1917-2511020213301CT-ND, Manufacturer Part Number=2511020213301, Part Number=2511020213301, Populated=False, RoHs compliant=Rohs, Switch possibility=False, Vérification=Non
U13: library part 2525020210001, "Humidité, température Capteur I²C, SPI Sortie", Ambient Temperature="Ambient temp", Manufacturer="Wurth Elektronik", Storage temperature="Storage temp", Created by=EAG, Creation Date=28/09/2021, Datasheet=Datasheet, Digikey=1917-2525020210001CT-ND, Manufacturer Part Number=2525020210001, Part Number=2525020210001, Populated=False, RoHs compliant=Rohs, Switch possibility=False, Vérification=Non
U14: library part BME280, "Capteur de température et d'humidité 0 ~ 100 %HR I²C, SPI ±3% 1s Montage en surface", Ambient Temperature="Ambient temp", Manufacturer=Bosch, Storage temperature="Storage temp", Created by=EAG, Creation Date=28/09/2021, Datasheet=Datasheet, Digikey=828-1063-6-ND, Manufacturer Part Number=BME280, Mouser=262-BME280, Part Number=BME280, Populated=False, RoHs compliant=Rohs, Switch possibility=False, Vérification=Non
U15: library part APDS-9960, "Capteurs optiques Ambiant 560nm I²C Module 8-SMD", Ambient Temperature="Ambient temp", Manufacturer="Broadcom Limited", Storage temperature="Storage temp", Created by=EAG, Creation Date=29/09/2021, Datasheet=Datasheet, Digikey=516-3480-1-ND, Manufacturer Part Number=APDS-9960, Mouser=630-APDS-9960, Part Number=APDS-9960, Populated=False, RoHs compliant=Rohs, Switch possibility=False, Vérification=Non
U16: library part BNO055, "Accéléromètre, gyroscope, magnétomètre, 9 axes Anturi I²C, UART Sortie", Ambient Temperature="Ambient temp", Manufacturer=Bosch, Storage temperature="Storage temp", Created by=EAG, Creation Date=28/09/2021, Datasheet=Datasheet, Digikey=828-1058-1-ND, Manufacturer Part Number=BNO055, Part Number=BNO055, Populated=False, RoHs compliant=Rohs, Switch possibility=False, Vérification=Non
U17: library part STM32F103CBT6, "ARM® Cortex®-M3 STM32F1 Microcontrôleurs IC 32-Bit 72MHz 128Ko (128K x 8) FLASH", Ambient Temperature="Ambient temp", Manufacturer=STMicroelectronics, Storage temperature="Storage temp", Created by=EAG, Creation Date=29/09/2021, Datasheet=Datasheet, Digikey=497-6288-ND, Manufacturer Part Number=STM32F103CBT6, Mouser=511-STM32F103CBT6, Part Number=STM32F103CBT6, Populated=False, RoHs compliant=Rohs, Switch possibility=False, Vérification=Non
U19: library part LD3985M33R, "PMIC - Régulateurs de tension - Linéaires Positif Fixe 1 Sortie  150mA SOT-23-5", Ambient Temperature="Ambient temp", Manufacturer=STMicroelectronics, Storage temperature="Storage temp", Created by=EAG, Creation Date=30/09/2021, Datasheet=Datasheet, Digikey=497-3504-1-ND, Manufacturer Part Number=LD3985M33R, Mouser=6868802P, Part Number=LD3985M33R, Populated=False, RoHs compliant=Rohs, Switch possibility=False, Vérification=Non
U20: library part W25Q64JVZPIM, "FLASH - NOR Mémoire IC 64Mb (8M x 8) SPI - I/O quadruple, QPI, DTR 133MHz 6ns 8-WSON (6x5)", Ambient Temperature="Ambient temp", Manufacturer=Winbond, Storage temperature="Storage temp", Created by=EAG, Creation Date=29/09/2021, Datasheet=Datasheet, Digikey=256-W25Q64JVZPIM-ND, Manufacturer Part Number=W25Q64JVZPIM, Part Number=W25Q64JVZPIM, Populated=False, RoHs compliant=Rohs, Switch possibility=False, Vérification=Non
U21: library part DIO7003LEST5, "5,5V Low loss Power distribution switch", Ambient Temperature="Ambient temp", Manufacturer="DIOO Microcircuits", Storage temperature="Storage temp", Created by=EAG, Creation Date=30/09/2021, Datasheet=Datasheet, Manufacturer Part Number=DIO7003LEST5, Mouser=453-DIO7003LEST5, Part Number=DIO7003LEST5, Populated=False, RoHs compliant=Rohs, Switch possibility=False, Vérification=Non
U22: library part AP3015AKTR-G1, "Survolteur Régulateur à découpage IC Positif Réglable 1,23V 1 Sortie 75mA (Commutateur) SC-74A, SOT-753", Ambient Temperature="Ambient temp", Manufacturer="Diodes Incorporated", Storage temperature="Storage temp", Created by=EAG, Creation Date=25/01/2022, Datasheet=Datasheet, Digikey=AP3015AKTR-G1DICT-ND, Manufacturer Part Number=AP3015AKTR-G1, Part Number=AP3015AKTR-G1, Populated=False, RoHs compliant=Rohs, RS=8287438, Switch possibility=False, Vérification=Non
X1: library part 830103552209, "QUARTZ 32MHz 9pF 10 ppm", Frequency=32Mhz, Manufacturer=Wurth, ComponentLink1Description=Datasheet, ComponentLink1URL=https://www.diodes.com/assets/Datasheets/FL.pdf, Created by=EAG, Creation Date=30/09/2021, Digikey=1923-830103552209CT-ND, Manufacturer Part Number=830103552209, Mouser=710-830103552209, Part Number=830103552209, Populated=True, Switch possibility=False, Vérification=Non
X2 X3: library part 830062558, "QUARTZ 32Khz 12pF 30 ppm", Frequency=32,768KHz, Manufacturer=Wurth, Created by=EAG, Creation Date=30/09/2021, Digikey=732-830062558CT-ND, Manufacturer Part Number=830062558, Mouser=710-830062558, Part Number=830062558, Populated=True, Switch possibility=False, Vérification=Non
X4: library part 830108313809, "QUARTZ 8MHz 12pF 20 ppm", Frequency=8MHz, Manufacturer=Wurth, ComponentLink1Description=Datasheet, ComponentLink1URL=https://www.diodes.com/assets/Datasheets/FL.pdf, Created by=EAG, Creation Date=30/09/2021, Digikey=732-830108313809CT-ND, Manufacturer Part Number=830108313809, Mouser=710-830108313809, Part Number=830108313809, Populated=True, Switch possibility=False, Vérification=Non

## Free pads (board coordinates)
  round 3 hole 3 unplated mask+0: 15(-14.001,9.45)
  round 3 hole 3 unplated: 15(-8.7,-23.3) 15(8.7,-23.3) 15(14.011,9.45)

## Via types
v1: diameter 0.65, hole 0.3, Top Layer to Bottom Layer, tented both sides, 562 vias
v2: diameter 0.65, hole 0.3, Top Layer to Bottom Layer, 4 vias

## Nets (pads, with @x,y where several pads share a name; then routed paths per layer and width w, separated by ;. In a path a pad name is that pad's centre, name@x,y a point inside that pad or via, vN(x,y) a via of type N, cw(c..) or ccw(c..) an arc to the next point about the centre after c; other vN are vias at no path point)
5V_JD_PWR@100mA: C85.2 C87.2 D14.K D25.K J5.3 J6.3 R56.2 | length 84.4
  Top Layer w0.254: D25.K@-22.526,-13.491 v1@-20.875,-13.491 ; C87.2@-20.65,-15.494 -20.701,-15.443 -20.701,-13.665 -20.32,-13.284 R56.2@-20.32,-12.256 -19.182,-12.256 C85.2@-19.177,-12.251
  Top Layer w0.3: J5.3@-27.325,-1.285 J5.3@-25.25,-1.285 -22.961,-1.285 ; v1(-23.84,-6.598) -23.84,-2.165 -22.961,-1.285 ; D14.K@-22.67,-0.995 -22.961,-1.285 ; v1(-15.581,-13.589) -15.197,-13.205 1.143,-13.205 2.029,-12.319 6.416,-12.319 6.664,-12.567 7.048,-12.567 7.269,-12.787 15.022,-12.787 v1(15.316,-13.081) ; v1(16.542,-8.515) 16.542,-7.855 21.209,-3.189 v1(21.209,-2.403) ; J6.3@25.251,1.285 J6.3@27.326,1.285
  Mid-Layer 1 w0.3: v1(-23.84,-6.598) -22.145,-6.598 -20.662,-8.08 -20.662,-13.466 v1(-20.767,-13.571) -20.599,-13.571 -20.582,-13.589 v1(-15.581,-13.589) ; v1(15.316,-13.081) 16.542,-11.854 v1(16.542,-8.515) ; v1(21.209,-2.403) 21.209,-1.244 23.738,1.285 J6.3@25.251,1.285
+3V3: C3.2 D2.1 F1.1 R22.2 TP4.1 TP55.1 U3.1 | length 16.7
  Top Layer w0.3: U3.1@-5.482,7.527 -3.541,7.527 -3.414,7.4 v1(-2.4,7.4) ; v1(-4.5,4.75) -4.085,4.335 R22.2@-3.5,4.335 ; D2.1@-1.7,6.65 -2.25,6.65 -2.4,6.8 v1(-2.4,7.4) ; TP4.1@1.2,9.8 0.538,9.8 -0.295,8.967 -0.295,8.191 -0.66,7.825 F1.1@-1.2,7.825 -1.702,7.825 -2.1,7.427 -2.373,7.427 v1(-2.4,7.4)
  Mid-Layer 1 w0.3: v1(-4.5,4.75) -4.5,5.956 -3.056,7.4 v1(-2.4,7.4)
  Bottom Layer w0.3: TP55.1@-4.322,7.706 -2.706,7.706 v1(-2.4,7.4)
+3V3@1200mA: C46.2 C47.2 D10.1 D24.1 J3.2 J4.2 J7.4 J7.5 PCB1.1_3V3 PCB1.3V3 PCB1.6_3V3 R15.2 R16.2 R17.2 R20.2 R33.2 R34.2 R35.2 R36.2 R37.2 R38.2 R39.2 R50.2 R60.1 R68.2 R70.2 R72.2 R73.2 R74.2 R79.2 R80.2 R81.2 R83.2 R84.2 R85.2 R101.2 R109.2 R113.2 R114.2 TP13.1 TP14.1 | length 80
  Top Layer w0.254: R60.1@-22.67,-6.477 v1(-22.67,-5.521) ; v1@-5.3,-2.105 R84.2@-5.3,-1.045 ; v1(-3.326,15) -3.26,15 -2.96,14.7 R114.2@-2.39,14.7 ; R33.2@-2.9,-38.765 -2.517,-38.765 v1(-2.075,-39.208) ; v1(5,-41.816) 5.414,-41.816 5.8,-41.43 R34.2@5.8,-40.995 ; v1(9.317,-32.685) 9.317,-33.617 R35.2@9.585,-33.885 ; R83.2@9.5,19.455 9.5,18.313 9.9,17.913 v1(9.9,17.895) ; R85.2@9.6,12.055 10.06,12.055 10.4,11.715 v1(11.6,11.715) ; R113.2@12.422,-23.245 12.422,-23.687 12.734,-24 v1(13.024,-24) ; v1(23.4,-0.5) R72.2@23.4,0.955
  Top Layer w0.3: v1(-4.25,-4) C46.2@-4.25,-5.3 C47.2@-4.25,-6.4 J7.4@-4.25,-7.575 J7.5@-3.75,-7.575 ; v1(-3.541,10.1) -3.9,10.459 v1(-3.9,11.4) -3.1,10.6 R20.2@-2.745,10.6
  Top Layer w0.4: v1(8.256,-52) 8.256,-57.986 PCB1.1_3V3@8.27,-58 ; PCB1.6_3V3@14.62,-58 v1(14.62,-52)
  Bottom Layer w0.2: R81.2@0.044,-25.1 0.044,-25.718 0.541,-26.216 0.541,-27.177 0.53,-27.188 0.53,-28.088 v1(1.24,-28.797)
  Bottom Layer w0.254: v1(-23.137,-40.2) -22.082,-39.145 R70.2@-21.7,-39.145 ; v1@-20.462,2.413 R15.2@-19.686,2.413 ; R101.2@-18.4,-39.145 -18.4,-39.485 v1(-17.8,-40.085) ; R17.2@-17.682,8.696 -17.379,8.696 -17.2,8.516 v1(-17.2,8) ; R16.2@-17.655,4.1 v1(-16.87,4.1) ; -16.286,-10.566 D10.1@-15.944,-11.165 ; R39.2@-15.225,-40.7 -14.325,-40.7 v1(-14.2,-40.575) -14.106,-40.481 R38.2@-14.106,-39.8 ; R109.2@-13.388,-15.377 -13.385,-15.38 v1(-12.515,-15.38) ; R37.2@-12.835,-41.435 v1(-12.835,-40.635) -12.6,-40.4 R36.2@-11.775,-40.4 ; v1(-7.029,2.6) -6.894,2.735 R74.2@-6.08,2.735 ; R73.2@5.016,-3.388 5.818,-3.388 v1(5.972,-3.234) ; R68.2@9.441,-7.3 9.398,-7.257 10.091,-7.257 v1(10.447,-6.9) ; v1(14.478,1.27) 14.478,0.667 R50.2@14.5,0.645 ; D24.1@17.175,-7.639 17.175,-8.051 17.712,-8.588 v1(17.712,-9.071) ; R79.2@20.145,11.4 20.11,11.435 R80.2@20.11,14.402 20.485,14.402 20.687,14.604 20.687,16.387 22.7,18.4 v1(22.986,18.4)
  Bottom Layer w0.3: J4.2@-18.683,-11.941 -16.286,-10.566 v1(-15.3,-10) ; v1(17.712,-9.071) J3.2@19.682,-10.209
  Bottom Layer w0.4: v1(8.256,-52) 8.256,-57.986 PCB1.1_3V3@8.27,-58 ; PCB1.6_3V3@14.62,-58 v1(14.62,-52)
  other v1: -5.337,-2.058 -20.462,2.415
+3V3_STLINK: C69.2 C70.2 C71.2 C72.2 R54.1 R55.1 R61.1 R71.2 R99.2 R104.2 R109.1 R110.2 R111.2 R112.2 T3.C TP46.1 U17.1 U17.9 U17.24 U17.36 U17.48 | length 191.7
  Top Layer w0.15: v1(-21.397,-4.108) -21.924,-3.58 -21.924,1.686 -23.061,2.823 -23.061,8.71 -22.185,9.586 -22.185,11.25 -20.288,13.147 -15.505,13.147 -15.032,13.62 -14.473,13.62 -9.843,18.25 -8.586,18.25 -7.743,19.093 -5.705,19.093 -4.5,20.298 R61.1@-5.012,22.606 ; v1(-15.367,-18.415) -14.328,-18.415 -12.8,-19.943 -12.8,-22.164 v1(-13.051,-22.415) ; v1(-9.3,-33.7) -9.3,-33.323 -8.932,-32.955 -6.578,-32.955 v1(-5.876,-33.657) ; v1(-7,-35.735) -6.604,-35.735 -6.414,-35.545 5.025,-35.545 6.892,-37.412 v1(6.892,-37.656) ; R54.1@12.034,-26.673 R55.1@13.234,-26.673 v1(13.234,-25.725)
  Mid-Layer 1 w0.15: v1(-19.685,-40.847) v1(-19.685,-36.973) ; v1(-16.421,-6.168) -13.813,-8.776 -13.813,-15.113 -14.996,-16.297 -14.996,-16.636 -15.246,-16.886 v1(-15.246,-16.897) ; v1(-5.404,-46.101) v1(-5.404,-42.495) -5.876,-42.022 -5.876,-36.86 v1(-7,-35.735) -5.876,-34.611 v1(-5.876,-33.657) -5.876,-32.518 v1(-5.386,-32.029) ; v1(6.408,-32.54) 6.892,-33.024 v1(6.892,-37.656)
  Bottom Layer w0.15: v1(-21.397,-4.108) -21.392,-4.108 -20.583,-4.917 -17.672,-4.917 v1(-16.421,-6.168) ; R71.2@-20.6,-39.145 -20.144,-39.145 -19.685,-39.604 v1(-19.685,-40.847) -19.685,-41.615 -16.631,-44.669 -11.955,-44.669 -10.472,-43.186 -6.095,-43.186 v1(-5.404,-42.495) C69.2@-4.453,-42.495 ; v1(-19.685,-36.973) -20.028,-36.631 -20.028,-35.916 -20.316,-35.627 -20.316,-24.971 -18.712,-23.367 -18.712,-21.047 -16.08,-18.415 v1(-15.367,-18.415) -15.367,-17.018 v1(-15.246,-16.897) -14.849,-16.5 TP46.1@-14.2,-16.5 ; R109.1@-14.278,-15.377 -14.278,-16.422 TP46.1@-14.2,-16.5 ; T3.C@-13.568,-23.64 -13.568,-22.932 v1(-13.051,-22.415) ; R111.2@-12.7,-16.855 -13.845,-16.855 TP46.1@-14.2,-16.5 ; R110.2@-10.455,-34.718 R99.2@-10.455,-33.7 v1(-9.3,-33.7) ; R112.2@-6.339,-32.3 -5.658,-32.3 v1(-5.386,-32.029) ; v1(-5.876,-33.657) C72.2@-5.876,-34.615 -4.941,-35.55 U17.36@-4.18,-35.55 ; R104.2@-5.404,-47.111 v1(-5.404,-46.101) ; C69.2@-4.453,-42.48 U17.24@-2.75,-42.48 ; U17.48@2.75,-34.12 4.432,-34.12 5.322,-33.231 ; U17.9@4.18,-39.55 5.866,-39.55 ; U17.1@4.18,-35.55 4.965,-35.55 5.322,-35.194 5.322,-33.231 ; 5.879,-39.55 C70.2@7.04,-39.55 7.04,-37.805 v1(6.892,-37.656) ; v1(13.234,-25.725) 11.028,-25.725 7.585,-29.167 7.585,-31.362 v1(6.408,-32.54) C71.2@5.322,-32.54 5.322,-33.231
+5V_USB: D26.A FB1.2 R96.2 TP50.1 U1.13 | length 67.3
  Mid-Layer 1 w0.15: v1(-15.351,-25.9) -15.351,-22.681 -16.259,-21.774 -16.259,-17.132 -14.113,-14.986 -14.113,-9.016 -14.366,-8.763 v1(-15.409,-8.763) -18.089,-8.763 -20.2,-6.652 -20.2,-5.62 -20.097,-5.517 -20.097,-0.69 -22.367,1.58 -22.513,1.58 -23.5,2.567 -23.5,8.9 -19.323,13.077 -14.592,13.077 -12.2,15.469 v1(-12.2,18.174)
  Bottom Layer w0.15: D26.A@-15.415,-7.995 -15.409,-8.001 v1(-15.409,-8.763) ; v1(-15.351,-25.9) R96.2@-14.416,-25.9
  Bottom Layer w0.3: U1.13@-13.266,17.475 -12.566,18.174 v1(-12.2,18.174) -11.629,18.745 TP50.1@-11.629,21.431 -10.725,22.335 FB1.2@-10.725,22.8
+14V5: C6.2 C7.1 D3.K R25.1 R27.2 TP5.1 | length 8.7
  Top Layer w0.2: TP5.1@-17.399,-3.683 -17.34,-3.742 D3.K@-15.348,-3.742 ; C6.2@-14.097,-4.826 -14.097,-5.734 -13.581,-6.25 C7.1@-11.729,-6.25
  Top Layer w0.3: C7.1@-11.729,-6.25 -10.304,-6.25 -9.44,-7.115 R25.1@-8.971,-7.115
+14V5@100mA: C44.2 J7.2 J7.23 R25.2 | length 17.5
  Top Layer w0.15: C44.2@-6,-5.64 -6,-6.277 -5.25,-7.027 J7.2@-5.25,-7.575 -5.25,-8.052 -4.92,-8.382 -1.306,-8.382 v1(-1,-8.688) ; v1(5.25,-8.33) J7.23@5.25,-7.575
  Top Layer w0.2: R25.2@-8.081,-7.115 -7.818,-7.115 -6.343,-5.64 C44.2@-6,-5.64
  Bottom Layer w0.15: v1(-1,-8.688) -0.461,-9.226 4.338,-9.226 5.235,-8.33 v1(5.25,-8.33)
AIN_1: TP56.1 U17.10 | length 9.1
  Bottom Layer w0.15: U17.10@4.18,-40.05 5.183,-40.05 5.383,-40.25 8.848,-40.25 9.406,-39.692 TP56.1@12.954,-39.692
BOOT0/LED_BLE: R64.1 R115.1 R116.2 U6.5 | length 9.4
  Top Layer w0.15: R64.1@-4.2,14.555 -4.2,14.401 -4.5,14.101 R116.2@-4.5,13.7 R115.1@-3.745,13.7 -2.7,12.655 v1(-2.7,11.4)
  Bottom Layer w0.15: v1(-2.7,11.4) -2.29,11.4 -1.425,10.535 -1.242,10.535 -1.227,10.52 0.296,10.52 0.596,10.22 U6.5@1.78,10.22
CS_OLED: J7.10 TP20.1 U6.61 | length 26.2
  Top Layer w0.15: J7.10@-1.25,-7.575 -1.25,-6.322 v1(-0.303,-5.375)
  Mid-Layer 1 w0.15: v1(7.335,4.008) 7.693,3.651 7.693,2.091 6.58,0.978 6.58,-1.534 7.435,-2.389 v1(7.435,-2.484)
  Bottom Layer w0.15: TP20.1@-1.147,-4.551 -1.127,-4.551 v1(-0.303,-5.375) 0.533,-6.21 1.709,-6.21 2.696,-5.223 5.164,-5.223 5.923,-4.465 6.315,-4.465 7.435,-3.344 v1(7.435,-2.484) ; U6.61@5.2,8 5.2,6.365 5.832,5.732 7.335,4.229 v1(7.335,4.008)
D/C_OLED_OR_SPI1_MISO: J7.12 TP24.1 U6.64 | length 27.4
  Top Layer w0.15: J7.12@-0.25,-7.575 -0.25,-8.923 0.035,-9.208 0.166,-9.208 0.18,-9.222 0.635,-9.222 0.638,-9.225 5.133,-9.225 6.175,-8.183 6.175,-7.633 6.47,-7.338 6.47,-6.843 7.697,-5.616 v1(7.697,-5.207)
  Bottom Layer w0.15: U6.64@4,8 4,5.246 7.891,1.355 7.891,-0.425 8.516,-1.05 8.516,-4.184 TP24.1@8.5,-4.2 7.697,-5.003 v1(7.697,-5.207)
EN1: R4.1 R7.2 U1.6 | length 10.5
  Top Layer w0.15: v1(-20.5,14.408) -19.839,13.747 -16.575,13.747 v1(-16.102,14.22)
  Bottom Layer w0.15: v1(-20.5,14.408) -19.839,13.747 -19.147,13.747 -18.66,13.26 -17.86,13.26 R7.2@-17.315,12.715 ; v1(-16.102,14.22) -15.091,14.22 -14.588,14.723 U1.6@-14.588,14.739
EN2: R3.1 R6.2 U1.5 | length 2.9
  Bottom Layer w0.15: R3.1@-16.685,13.435 -16.665,13.415 R6.2@-15.615,13.415 -15.465,13.415 -15.35,13.529 -15.09,13.529 U1.5@-14.234,14.385